# KiCad board panel.kicad_pcb (continued)
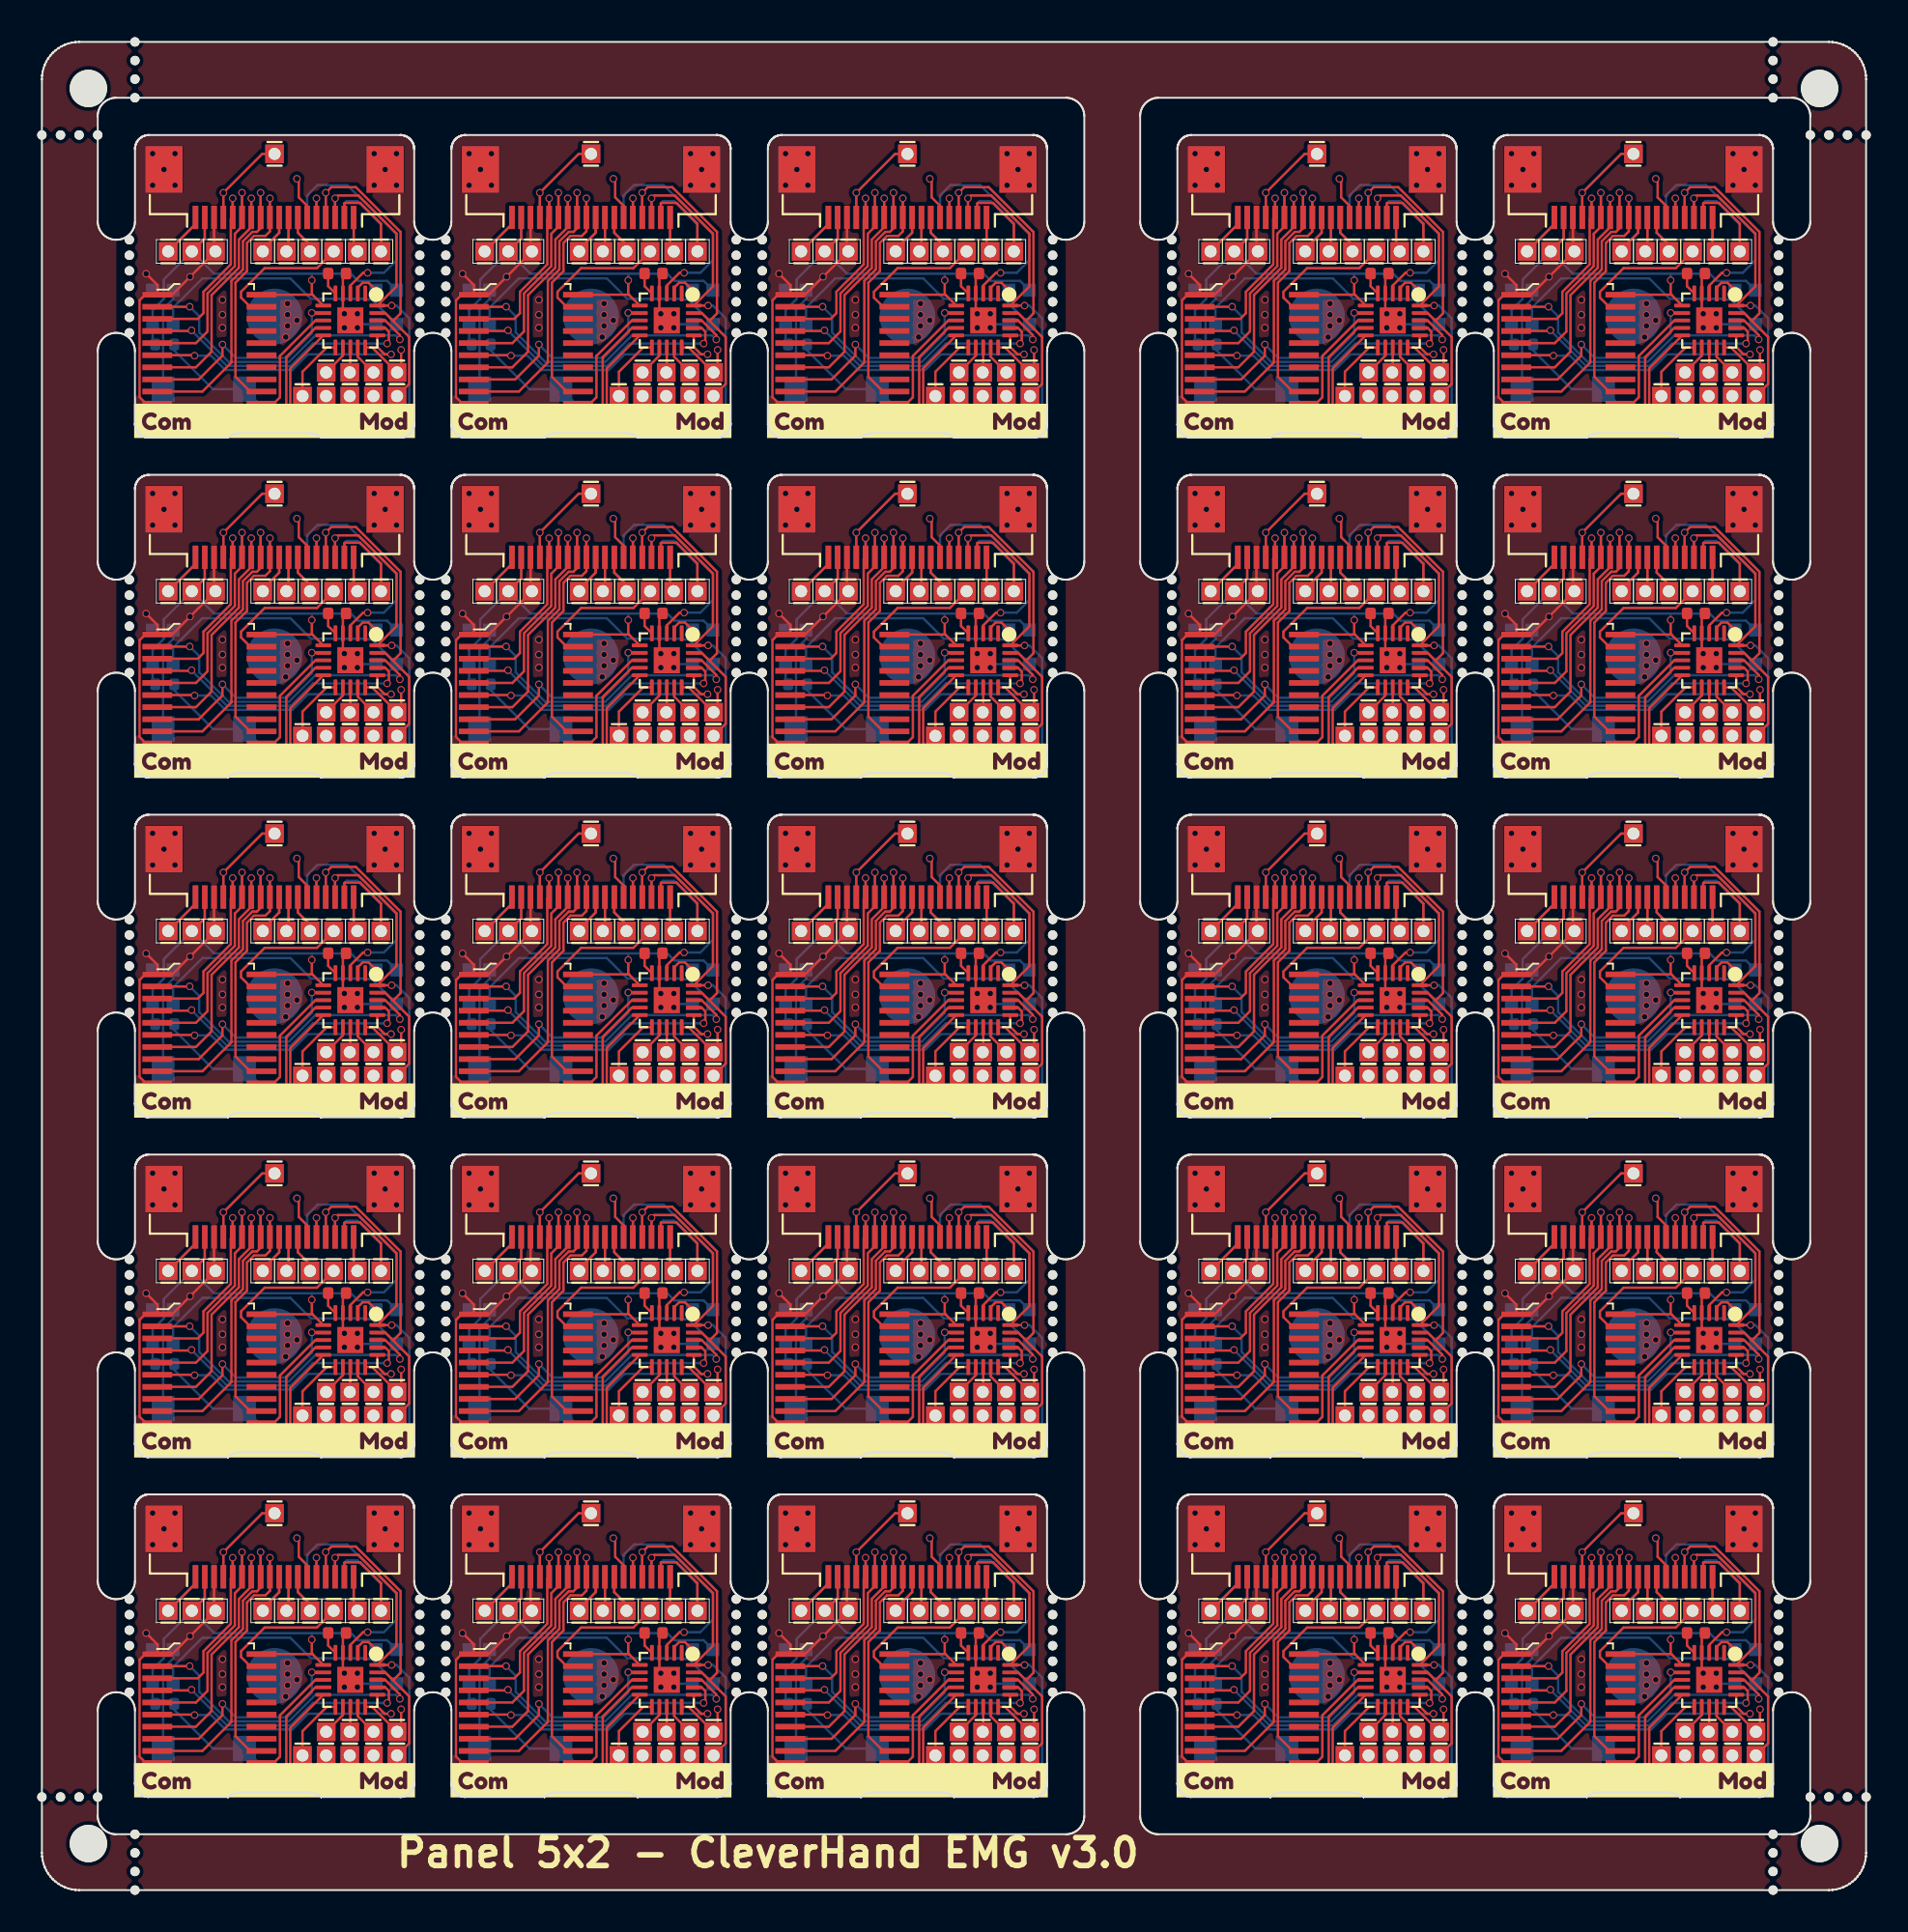
[diagram p0: board, top side]
## Routing (per net, layer and track width the routed paths; a pad name or vN(x,y) marks a point on that pad's centre or on a via; arc(x,y) is an arc through that point) (continued)
Board_13-/addr_mod_3: length 12
  Front w0.127: v1(70.5,48.2) 70.68,48.2 70.69,48.19 U1#6.7 ; v1(65.7,46.5) 65.7,45.9 64.42,44.63 U2#3.8
  Back w0.127: v1(65.7,46.5) 66.42,45.78 69.18,45.78 70.5,47.1 v1(70.5,48.2)
Board_13-/addr_mod_4: length 6.5
  Front w0.127: U1#6.8 70.69,47.79 68.79,45.89 68.79,43.67 68.45,43.33 U2#3.11
Board_13-/AIN0: length 3.6
  Front w0.127: J18#13.1 70,45.04 71.3,46.34 U1#6.11
Board_13-/AUX1: length 4.9
  Front w0.127: J19#4.1 64.25,52.97 J10#9.18
  Back w0.127: J10#9.18 64.25,52.97 J19#4.1
Board_13-/AUX2: length 9.4
  Front w0.127: J20#19.1 74.22,52.99 73.1,54.1 72.28,54.1 72.25,54.08 J10#9.2
  Back w0.127: J20#19.1 74.22,52.94 72.96,54.2 72.37,54.2 72.25,54.08 J10#9.2
Board_13-/AUX3: length 6.3
  Front w0.127: J3#11.1 67.84,56.74 v1(65.75,54.65) J10#9.15
  Back w0.127: v1(65.75,54.65) J10#9.15
Board_13-/CSB: length 7.5
  Front w0.127: U2#3.19 67.19,48.53 66.7,49.02 66.7,49.33 67.97,50.6 70.78,50.6 J8#24.1
Board_13-/extRef: length 3.8
  Front w0.127: J10#9.1 72.75,51.7 J9#8.1
  Back w0.127: J9#8.1 72.75,51.7 J10#9.1
Board_13-/GPIO: length 16.9
  Front w0.127: U1#6.10 69.35,45.22 69.35,43.09 69.36,43.08 70.62,43.08 J21#3.1
  Back w0.127: R1#25.2 63.11,46.18 65.19,44.1 SW1#14.1 67.91,43.08 70.62,43.08 J21#3.1
Board_13-/i2C_SCL: length 19.6
  Front w0.127: J10#9.3 v1(71.75,54.35) 71.9,54.5 73.01,54.5 75.05,52.46 75.05,49.62 U1#6.20 v1(74.79,48.59)
  Back w0.127: J16#8.1 74.46,43.08 75.73,43.08 75.73,47.91 75.05,48.59 v1(74.79,48.59) ; v1(71.75,54.35) J10#9.3
Board_13-/I2C_SDA: length 18.4
  Front w0.127: J17#12.1 75.73,44.38 75.73,46.9 74.87,47.77 ; 74.87,47.77 75.27,48.17 75.27,52.55 72.86,54.95 71.55,54.95 v1(71.25,54.65) J10#9.4 ; 74.87,47.77 74.44,48.19 U1#6.19
  Back w0.127: v1(71.25,54.65) J10#9.4
Board_13-/IO1_in: length 12.2
  Front w0.127: v1(73.5,50.35) 73.25,50.35 72.57,49.67 U1#6.3
  Back w0.127: v1(73.5,50.35) 74.37,50.35 75.05,51.03 75.05,52.41 72.4,55.06 70.81,55.06 70.25,54.5 J4#13.13
Board_13-/IO1_out: length 19.7
  Front w0.127: v1(69.7,55.4) 69.8,55.3 69.8,54.4 70.25,53.95 J10#9.6 ; U1#6.15 73.74,46.34 J11#11.1 75.3,45.22 v1(75.3,46.21)
  In2.Cu w0.127: v1(69.7,55.4) 69.9,55.6 72.65,55.6 75.64,52.61 75.64,46.55 v1(75.3,46.21)
Board_13-/IO2: length 2.1
  Front w0.127: v1(70.75,54.35) J10#9.5
  Back w0.127: J10#9.5 v1(70.75,54.35)
Board_13-/LED_IN: length 1.6
  Front w0.127: U1#6.2 72.97,49.55 73.23,49.82 73.55,49.82 v1(73.95,49.42)
Board_13-/MISO: length 4.4
  Front w0.127: J10#9.9 68.75,52.5 67.86,51.62 J5#15.1
  Back w0.127: J10#9.9 68.75,52.5 67.86,51.62 J5#15.1
Board_13-/MOSI: length 3.7
  Front w0.127: J10#9.8 69.25,51.62 J6#2.1
  Back w0.127: J6#2.1 69.25,51.62 J10#9.8
Board_13-/MOSI_ARM: length 1.4
  Front w0.127: U1#6.13 72.57,45.03 J13#4.1
Board_13-/SCLK: length 4.2
  Front w0.127: J10#9.7 69.75,52.5 70.41,51.85 J7#18.1
  Back w0.127: J10#9.7 69.75,52.5 70.41,51.85 J7#18.1
Board_13-/SCLK_ARM: length 1.7
  Front w0.127: J14#10.1 72.17,45.9 U1#6.12
Board_13-/SPICS_ARM: length 9.3
  Front w0.127: J15#2.1 71.67,42.86 69.27,42.86 69.13,43 69.13,45.82 70.69,47.39 U1#6.9
Board_13-/SWDIO/MISO_ARM: length 1.7
  Front w0.127: U1#6.14 72.97,45.84 J12#2.1
Board_13-/Vcap: length 1.2
  Front w0.127: U1#6.5 71.38,49.63 C1#10.2
Board_13-GND: length 27.5
  Front w0.127: U1#6.21 72.25,48.11 v1(72.25,48.15) 72.21,48.15 72.17,48.19 U1#6.4 72.17,50.14 C1#10.1 ; J10#9.16 65.25,51.58 J2#24.1 v1(63.96,50.14) 63,49.18 U2#3.1 ; v1(61.6,50.3) 62.2,49.7 U2#3.1 ; U2#3.1 61.55,49.18 61.25,48.87 61.25,43.67 61.59,43.33 U2#3.10
  Back w0.127: v1(63.96,50.14) 63.24,49.42 LED2#20.2 63.05,48.94 62.51,48.4 SW1#14.2 ; J2#24.1 65.25,51.58 J10#9.16 ; LED1#8.2 73.13,47.59 v1(72.95,47.4) 72.76,47.59 72.66,47.59
  vias: v1(61.95,56.75) v1(61.95,55.05) v1(62.56,55.9) v1(63.15,56.75) v1(63.15,55.05) v1(65.7,48.9) v1(65.7,48.1) v1(65.7,47.4) v1(69.1,46.9) v1(69.2,48.7) v1(69.2,48.1) v1(69.2,47.5) v1(69.7,47.8) v1(72.25,47.4) v1(72.95,48.15) v1(73.85,56.75) v1(73.85,55.05) v1(74.44,55.9) v1(75.05,56.75) v1(75.05,55.05)
Board_13-Net-(LED1-DO): length 14.6
  Back w0.127: LED2#20.3 63.05,48.48 64.62,50.05 69.35,50.05 70.45,48.95 73.45,48.95 73.48,48.91 73.72,48.91 LED1#8.1
Board_14-+3.3V: length 26.7
  Front w0.127: U2#19.20 87.53,49.18 87.55,49.16 ; J10#8.17 81.75,52.2 J1#25.1 ; 87.55,49.16 87.5,49.21 v1(87.5,49.95) ; 87.55,49.16 U1#19.6
  Back w0.127: LED1#3.4 91.55,49.92 89.98,49.92 89.6,50.3 87.5,50.3 ; 87.5,50.3 82.25,50.3 J1#25.1 ; 87.5,50.3 v1(87.5,49.95) ; J1#25.1 81.75,52.2 J10#8.17 ; J1#25.1 79.55,49.99 79.55,48.95 78.95,48.35 LED2#8.4 78.95,46.64 R1#19.1
Board_14-/addr_bus_0: length 10.5
  Front w0.127: U2#19.3 81.37,47.88 81.68,48.18 81.68,49.33 83.15,50.8 83.15,53.23 J10#8.14 v1(83.25,54.35)
  Back w0.127: J10#8.14 v1(83.25,54.35)
Board_14-/addr_bus_1: length 12.5
  Front w0.127: U2#19.5 81.27,46.58 81.9,47.2 81.9,49.24 83.37,50.71 83.37,52.45 83.75,52.83 J10#8.13 v1(83.75,54.65)
  Back w0.127: J10#8.13 v1(83.75,54.65)
Board_14-/addr_bus_2: length 13.4
  Front w0.127: U2#19.7 81.27,45.28 82.12,46.12 82.12,49.15 83.58,50.62 83.58,52.13 84.25,52.8 J10#8.12 v1(84.25,54.35)
  Back w0.127: J10#8.12 v1(84.25,54.35)
Board_14-/addr_bus_3: length 15.9
  Front w0.127: v1(84.75,54.65) J10#8.11 84.75,52.74 84.55,52.55 84.3,52.55 83.8,52.04 83.8,50.53 83.18,49.91 83.18,45.53 81.62,43.98 U2#19.9
  Back w0.127: J10#8.11 v1(84.75,54.65)
Board_14-/addr_bus_4: length 13.5
  Front w0.127: U2#19.12 84.19,43.98 83.4,44.77 83.4,49.82 84.02,50.44 84.02,51.95 84.39,52.33 85.01,52.33 85.25,52.57 J10#8.10 v1(85.25,54.35)
  Back w0.127: J10#8.10 v1(85.25,54.35)
Board_14-/addr_mod_0: length 17.2
  Front w0.127: v1(92.23,46.77) 92.23,47.01 91.44,47.79 U1#19.18 ; v1(80.94,48.53) 80.93,48.53 U2#19.2
  Back w0.127: v1(80.94,48.53) 81.45,48.02 81.45,47.15 83.04,45.56 86.27,45.56 87.69,46.99 92.01,46.99 v1(92.23,46.77)
Board_14-/addr_mod_1: length 15
  Front w0.127: v1(81.04,47.26) 81,47.23 U2#19.4 ; v1(91.55,46.55) 91.55,46.61 91.64,46.7 91.64,47.2 91.44,47.39 U1#19.17
  Back w0.127: v1(91.55,46.55) 87.56,46.55 86.36,45.35 82.95,45.35 81.04,47.25 v1(81.04,47.26)
Board_14-/addr_mod_2: length 14.8
  Front w0.127: v1(91.76,45.97) 91.42,45.97 91.02,46.37 U1#19.16 ; v1(81.2,45.9) 81.17,45.93 U2#19.6
  Back w0.127: v1(81.2,45.9) 82.09,45.9 82.86,45.13 86.45,45.13 87.29,45.97 v1(91.76,45.97)
Board_14-/addr_mod_3: length 12
  Front w0.127: U1#19.7 87.69,48.19 87.68,48.2 v1(87.5,48.2) ; U2#19.8 81.42,44.63 82.7,45.9 v1(82.7,46.5)
  Back w0.127: v1(82.7,46.5) 83.42,45.78 86.18,45.78 87.5,47.1 v1(87.5,48.2)
Board_14-/addr_mod_4: length 6.5
  Front w0.127: U1#19.8 87.69,47.79 85.79,45.89 85.79,43.67 85.45,43.33 U2#19.11
Board_14-/AIN0: length 3.6
  Front w0.127: J18#22.1 87,45.04 88.3,46.34 U1#19.11
Board_14-/AUX1: length 4.9
  Front w0.127: J10#8.18 81.25,52.97 J19#18.1
  Back w0.127: J10#8.18 81.25,52.97 J19#18.1
Board_14-/AUX2: length 9.4
  Front w0.127: J10#8.2 89.25,54.08 89.28,54.1 90.1,54.1 91.22,52.99 J20#5.1
  Back w0.127: J10#8.2 89.25,54.08 89.37,54.2 89.96,54.2 91.22,52.94 J20#5.1
Board_14-/AUX3: length 6.3
  Front w0.127: J10#8.15 v1(82.75,54.65) 84.84,56.74 J3#10.1
  Back w0.127: v1(82.75,54.65) J10#8.15
Board_14-/CSB: length 7.5
  Front w0.127: J8#11.1 87.78,50.6 84.97,50.6 83.7,49.33 83.7,49.02 84.19,48.53 U2#19.19
Board_14-/extRef: length 3.8
  Front w0.127: J9#21.1 89.75,51.7 J10#8.1
  Back w0.127: J10#8.1 89.75,51.7 J9#21.1
Board_14-/GPIO: length 16.9
  Front w0.127: J21#23.1 87.62,43.08 86.36,43.08 86.35,43.09 86.35,45.22 U1#19.10
  Back w0.127: R1#19.2 80.11,46.18 82.19,44.1 SW1#7.1 84.91,43.08 87.62,43.08 J21#23.1
Board_14-/i2C_SCL: length 19.6
  Front w0.127: v1(91.79,48.59) U1#19.20 92.05,49.62 92.05,52.46 90.01,54.5 88.9,54.5 v1(88.75,54.35) J10#8.3
  Back w0.127: v1(91.79,48.59) 92.05,48.59 92.73,47.91 92.73,43.08 91.46,43.08 J16#11.1 ; v1(88.75,54.35) J10#8.3
Board_14-/I2C_SDA: length 18.4
  Front w0.127: J10#8.4 v1(88.25,54.65) 88.55,54.95 89.86,54.95 92.27,52.55 92.27,48.17 91.87,47.77 ; 91.87,47.77 92.73,46.9 92.73,44.38 J17#11.1 ; 91.87,47.77 91.44,48.19 U1#19.19
  Back w0.127: v1(88.25,54.65) J10#8.4
Board_14-/IO1_in: length 12.2
  Front w0.127: v1(90.5,50.35) 90.25,50.35 89.57,49.67 U1#19.3
  Back w0.127: v1(90.5,50.35) 91.37,50.35 92.05,51.03 92.05,52.41 89.4,55.06 87.81,55.06 87.25,54.5 J4#24.13
Board_14-/IO1_out: length 19.7
  Front w0.127: v1(86.7,55.4) 86.8,55.3 86.8,54.4 87.25,53.95 J10#8.6 ; U1#19.15 90.74,46.34 J11#2.1 92.3,45.22 v1(92.3,46.21)
  In2.Cu w0.127: v1(86.7,55.4) 86.9,55.6 89.65,55.6 92.64,52.61 92.64,46.55 v1(92.3,46.21)
Board_14-/IO2: length 2.1
  Front w0.127: v1(87.75,54.35) J10#8.5
  Back w0.127: J10#8.5 v1(87.75,54.35)
Board_14-/LED_IN: length 1.6
  Front w0.127: v1(90.95,49.42) 90.55,49.82 90.23,49.82 89.97,49.55 U1#19.2
Board_14-/MISO: length 4.4
  Front w0.127: J10#8.9 85.75,52.5 84.87,51.62 J5#7.1
  Back w0.127: J10#8.9 85.75,52.5 84.87,51.62 J5#7.1
Board_14-/MOSI: length 3.7
  Front w0.127: J6#10.1 86.25,51.62 J10#8.8
  Back w0.127: J6#10.1 86.25,51.62 J10#8.8
Board_14-/MOSI_ARM: length 1.4
  Front w0.127: J13#24.1 89.57,45.03 U1#19.13
Board_14-/SCLK: length 4.2
  Front w0.127: J7#10.1 87.41,51.85 86.75,52.5 J10#8.7
  Back w0.127: J10#8.7 86.75,52.5 87.41,51.85 J7#10.1
Board_14-/SCLK_ARM: length 1.7
  Front w0.127: J14#2.1 89.17,45.9 U1#19.12
Board_14-/SPICS_ARM: length 9.3
  Front w0.127: U1#19.9 87.69,47.39 86.13,45.82 86.13,43 86.27,42.86 88.67,42.86 J15#21.1
Board_14-/SWDIO/MISO_ARM: length 1.7
  Front w0.127: U1#19.14 89.97,45.84 J12#8.1
Board_14-/Vcap: length 1.2
  Front w0.127: C1.2 88.38,49.63 U1#19.5
Board_14-GND: length 27.5
  Front w0.127: v1(78.6,50.3) 79.2,49.7 U2#19.1 ; U2#19.1 80,49.18 v1(80.96,50.14) J2#7.1 82.25,51.58 J10#8.16 ; U2#19.1 78.55,49.18 78.25,48.87 78.25,43.67 78.59,43.33 U2#19.10 ; C1.1 89.17,50.14 U1#19.4 89.17,48.19 89.21,48.15 v1(89.25,48.15) 89.25,48.11 U1#19.21
  Back w0.127: J2#7.1 82.25,51.58 J10#8.16 ; LED1#3.2 90.13,47.59 v1(89.95,47.4) 89.76,47.59 89.66,47.59 ; SW1#7.2 79.51,48.4 80.05,48.94 LED2#8.2 80.24,49.42 v1(80.96,50.14)
  vias: v1(78.95,56.75) v1(78.95,55.05) v1(79.56,55.9) v1(80.15,56.75) v1(80.15,55.05) v1(82.7,48.9) v1(82.7,48.1) v1(82.7,47.4) v1(86.1,46.9) v1(86.2,48.7) v1(86.2,48.1) v1(86.2,47.5) v1(86.7,47.8) v1(89.25,47.4) v1(89.95,48.15) v1(90.85,56.75) v1(90.85,55.05) v1(91.44,55.9) v1(92.05,56.75) v1(92.05,55.05)
Board_14-Net-(LED1-DO): length 14.6
  Back w0.127: LED1#3.1 90.72,48.91 90.48,48.91 90.45,48.95 87.45,48.95 86.35,50.05 81.62,50.05 80.05,48.48 LED2#8.3
Board_15-+3.3V: length 26.7
  Front w0.127: 14.55,30.91 14.53,30.93 U2.20 ; 14.55,30.91 14.5,30.96 v1(14.5,31.7) ; 14.55,30.91 U1#5.6 ; J1#17.1 8.75,33.95 J10#18.17
  Back w0.127: J1#17.1 9.26,32.05 14.5,32.05 ; J1#17.1 6.55,31.74 6.55,30.7 5.95,30.1 LED2#12.4 5.95,28.39 R1.1 ; J1#17.1 8.75,33.95 J10#18.17 ; 14.5,32.05 16.6,32.05 16.98,31.67 18.55,31.67 LED1#6.4 ; 14.5,32.05 v1(14.5,31.7)
Board_15-/addr_bus_0: length 10.5
  Front w0.127: v1(10.25,36.1) J10#18.14 10.15,34.98 10.15,32.55 8.68,31.08 8.68,29.93 8.37,29.63 U2.3
  Back w0.127: J10#18.14 v1(10.25,36.1)
Board_15-/addr_bus_1: length 12.5
  Front w0.127: U2.5 8.27,28.33 8.9,28.95 8.9,30.99 10.37,32.46 10.37,34.2 10.75,34.58 J10#18.13 v1(10.75,36.4)
  Back w0.127: J10#18.13 v1(10.75,36.4)
Board_15-/addr_bus_2: length 13.4
  Front w0.127: U2.7 8.27,27.03 9.12,27.87 9.12,30.9 10.58,32.37 10.58,33.88 11.25,34.55 J10#18.12 v1(11.25,36.1)
  Back w0.127: J10#18.12 v1(11.25,36.1)
Board_15-/addr_bus_3: length 15.9
  Front w0.127: v1(11.75,36.4) J10#18.11 11.75,34.49 11.55,34.3 11.3,34.3 10.8,33.79 10.8,32.28 10.18,31.66 10.18,27.28 8.62,25.73 U2.9
  Back w0.127: J10#18.11 v1(11.75,36.4)
Board_15-/addr_bus_4: length 13.5
  Front w0.127: U2.12 11.19,25.73 10.4,26.52 10.4,31.57 11.02,32.19 11.02,33.7 11.39,34.08 12.01,34.08 12.25,34.32 J10#18.10 v1(12.25,36.1)
  Back w0.127: J10#18.10 v1(12.25,36.1)
Board_15-/addr_mod_0: length 17.2
  Front w0.127: U2.2 7.93,30.28 v1(7.94,30.28) ; v1(19.23,28.52) 19.23,28.76 18.44,29.54 U1#5.18
  Back w0.127: v1(7.94,30.28) 8.45,29.77 8.45,28.9 10.04,27.31 13.27,27.31 14.69,28.74 19.01,28.74 v1(19.23,28.52)
Board_15-/addr_mod_1: length 15
  Front w0.127: U2.4 8,28.98 v1(8.04,29.01) ; U1#5.17 18.44,29.14 18.64,28.95 18.64,28.45 18.55,28.36 v1(18.55,28.3)
  Back w0.127: v1(18.55,28.3) 14.56,28.3 13.36,27.1 9.95,27.1 8.04,29 v1(8.04,29.01)
Board_15-/addr_mod_2: length 14.8
  Front w0.127: v1(18.76,27.72) 18.42,27.72 18.02,28.12 U1#5.16 ; v1(8.2,27.65) 8.17,27.68 U2.6
  Back w0.127: v1(18.76,27.72) 14.29,27.72 13.45,26.88 9.86,26.88 9.09,27.65 v1(8.2,27.65)
Board_15-/addr_mod_3: length 12
  Front w0.127: v1(9.7,28.25) 9.7,27.65 8.42,26.38 U2.8 ; U1#5.7 14.69,29.94 14.68,29.95 v1(14.5,29.95)
  Back w0.127: v1(9.7,28.25) 10.42,27.53 13.18,27.53 14.5,28.85 v1(14.5,29.95)
Board_15-/addr_mod_4: length 6.5
  Front w0.127: U1#5.8 14.69,29.54 12.79,27.64 12.79,25.42 12.45,25.08 U2.11
Board_15-/AIN0: length 3.6
  Front w0.127: J18#20.1 14,26.79 15.3,28.09 U1#5.11
Board_15-/AUX1: length 4.9
  Front w0.127: J19#14.1 8.25,34.72 J10#18.18
  Back w0.127: J19#14.1 8.25,34.72 J10#18.18
Board_15-/AUX2: length 9.4
  Front w0.127: J20#6.1 18.21,34.73 17.1,35.85 16.28,35.85 16.25,35.83 J10#18.2
  Back w0.127: J20#6.1 18.21,34.69 16.96,35.95 16.37,35.95 16.25,35.83 J10#18.2
Board_15-/AUX3: length 6.3
  Front w0.127: J3#12.1 11.84,38.49 v1(9.75,36.4) J10#18.15
  Back w0.127: v1(9.75,36.4) J10#18.15
Board_15-/CSB: length 7.5
  Front w0.127: U2.19 11.19,30.28 10.7,30.77 10.7,31.08 11.97,32.35 14.77,32.35 J8#21.1
Board_15-/extRef: length 3.8
  Front w0.127: J10#18.1 16.75,33.45 J9#12.1
  Back w0.127: J10#18.1 16.75,33.45 J9#12.1
Board_15-/GPIO: length 16.9
  Front w0.127: J21#17.1 14.62,24.83 13.36,24.83 13.35,24.84 13.35,26.97 U1#5.10
  Back w0.127: J21#17.1 14.62,24.83 11.91,24.83 SW1#25.1 9.19,25.85 7.11,27.93 R1.2
Board_15-/i2C_SCL: length 19.6
  Front w0.127: v1(18.79,30.34) U1#5.20 19.05,31.37 19.05,34.21 17.01,36.25 15.9,36.25 v1(15.75,36.1) J10#18.3
  Back w0.127: v1(18.79,30.34) 19.05,30.34 19.73,29.66 19.73,24.83 18.46,24.83 J16#23.1 ; v1(15.75,36.1) J10#18.3
Board_15-/I2C_SDA: length 18.4
  Front w0.127: J10#18.4 v1(15.25,36.4) 15.55,36.7 16.86,36.7 19.27,34.3 19.27,29.92 18.87,29.52 ; J17#22.1 19.73,26.13 19.73,28.65 18.87,29.52 ; 18.87,29.52 18.44,29.94 U1#5.19
  Back w0.127: v1(15.25,36.4) J10#18.4
Board_15-/IO1_in: length 12.2
  Front w0.127: U1#5.3 16.57,31.42 17.25,32.1 v1(17.5,32.1)
  Back w0.127: J4#21.13 14.25,36.25 14.81,36.81 16.4,36.81 19.05,34.16 19.05,32.78 18.37,32.1 v1(17.5,32.1)
Board_15-/IO1_out: length 19.7
  Front w0.127: U1#5.15 17.74,28.09 J11#5.1 19.3,26.97 v1(19.3,27.96) ; v1(13.7,37.15) 13.8,37.05 13.8,36.15 14.25,35.7 J10#18.6
  In2.Cu w0.127: v1(13.7,37.15) 13.9,37.35 16.65,37.35 19.64,34.36 19.64,28.3 v1(19.3,27.96)
Board_15-/IO2: length 2.1
  Front w0.127: v1(14.75,36.1) J10#18.5
  Back w0.127: J10#18.5 v1(14.75,36.1)
Board_15-/LED_IN: length 1.6
  Front w0.127: U1#5.2 16.97,31.3 17.23,31.57 17.55,31.57 v1(17.95,31.17)
Board_15-/MISO: length 4.4
  Front w0.127: J5#14.1 11.87,33.37 12.75,34.25 J10#18.9
  Back w0.127: J5#14.1 11.87,33.37 12.75,34.25 J10#18.9
Board_15-/MOSI: length 3.7
  Front w0.127: J6#7.1 13.25,33.37 J10#18.8
  Back w0.127: J6#7.1 13.25,33.37 J10#18.8
Board_15-/MOSI_ARM: length 1.4
  Front w0.127: J13#21.1 16.57,26.78 U1#5.13
Board_15-/SCLK: length 4.2
  Front w0.127: J10#18.7 13.75,34.25 14.41,33.6 J7#16.1
  Back w0.127: J7#16.1 14.41,33.6 13.75,34.25 J10#18.7
Board_15-/SCLK_ARM: length 1.7
  Front w0.127: U1#5.12 16.17,27.65 J14#13.1
Board_15-/SPICS_ARM: length 9.3
  Front w0.127: J15.1 15.67,24.61 13.27,24.61 13.13,24.75 13.13,27.57 14.69,29.14 U1#5.9
Board_15-/SWDIO/MISO_ARM: length 1.7
  Front w0.127: J12#15.1 16.97,27.59 U1#5.14
Board_15-/Vcap: length 1.2
  Front w0.127: C1#16.2 15.38,31.38 U1#5.5
Board_15-GND: length 27.5
  Front w0.127: U1#5.21 16.25,29.86 v1(16.25,29.9) 16.21,29.9 16.17,29.94 U1#5.4 16.17,31.89 C1#16.1 ; J10#18.16 9.25,33.33 J2#8.1 v1(7.96,31.89) 7,30.93 U2.1 ; U2.10 5.59,25.08 5.25,25.42 5.25,30.62 5.55,30.93 U2.1 ; U2.1 6.2,31.45 v1(5.6,32.05)
  Back w0.127: LED1#6.2 17.13,29.34 v1(16.95,29.15) 16.76,29.34 16.66,29.34 ; v1(7.96,31.89) 7.24,31.17 LED2#12.2 7.05,30.69 6.51,30.15 SW1#25.2 ; J10#18.16 9.25,33.33 J2#8.1
  vias: v1(5.95,38.5) v1(5.95,36.8) v1(6.56,37.65) v1(7.15,38.5) v1(7.15,36.8) v1(9.7,30.65) v1(9.7,29.85) v1(9.7,29.15) v1(13.1,28.65) v1(13.2,30.45) v1(13.2,29.85) v1(13.2,29.25) v1(13.7,29.55) v1(16.25,29.15) v1(16.95,29.9) v1(17.85,38.5) v1(17.85,36.8) v1(18.44,37.65) v1(19.05,38.5) v1(19.05,36.8)
Board_15-Net-(LED1-DO): length 14.6
  Back w0.127: LED1#6.1 17.72,30.66 17.48,30.66 17.45,30.7 14.45,30.7 13.35,31.8 8.62,31.8 7.05,30.23 LED2#12.3
Board_16-+3.3V: length 26.7
  Front w0.127: 31.55,30.91 31.5,30.96 v1(31.5,31.7) ; 31.55,30.91 U1#17.6 ; 31.55,30.91 31.53,30.93 U2#6.20 ; J1#6.1 25.75,33.95 J10#22.17
  Back w0.127: J1#6.1 25.75,33.95 J10#22.17 ; J1#6.1 26.25,32.05 31.5,32.05 ; J1#6.1 23.55,31.74 23.55,30.7 22.95,30.1 LED2#2.4 22.95,28.39 R1#17.1 ; LED1#21.4 35.55,31.67 33.98,31.67 33.6,32.05 31.5,32.05 ; 31.5,32.05 v1(31.5,31.7)
Board_16-/addr_bus_0: length 10.5
  Front w0.127: U2#6.3 25.37,29.63 25.68,29.93 25.68,31.08 27.15,32.55 27.15,34.98 J10#22.14 v1(27.25,36.1)
  Back w0.127: J10#22.14 v1(27.25,36.1)
Board_16-/addr_bus_1: length 12.5
  Front w0.127: v1(27.75,36.4) J10#22.13 27.75,34.58 27.37,34.2 27.37,32.46 25.9,30.99 25.9,28.95 25.27,28.33 U2#6.5
  Back w0.127: J10#22.13 v1(27.75,36.4)
Board_16-/addr_bus_2: length 13.4
  Front w0.127: U2#6.7 25.27,27.03 26.12,27.87 26.12,30.9 27.58,32.37 27.58,33.88 28.25,34.55 J10#22.12 v1(28.25,36.1)
  Back w0.127: J10#22.12 v1(28.25,36.1)
Board_16-/addr_bus_3: length 15.9
  Front w0.127: U2#6.9 25.62,25.73 27.18,27.28 27.18,31.66 27.8,32.28 27.8,33.79 28.3,34.3 28.55,34.3 28.75,34.49 J10#22.11 v1(28.75,36.4)
  Back w0.127: J10#22.11 v1(28.75,36.4)
Board_16-/addr_bus_4: length 13.5
  Front w0.127: v1(29.25,36.1) J10#22.10 29.25,34.32 29.01,34.08 28.39,34.08 28.02,33.7 28.02,32.19 27.4,31.57 27.4,26.52 28.19,25.73 U2#6.12
  Back w0.127: J10#22.10 v1(29.25,36.1)
Board_16-/addr_mod_0: length 17.2
  Front w0.127: U1#17.18 35.44,29.54 36.23,28.76 v1(36.23,28.52) ; v1(24.94,30.28) 24.93,30.28 U2#6.2
  Back w0.127: v1(36.23,28.52) 36.01,28.74 31.69,28.74 30.27,27.31 27.04,27.31 25.45,28.9 25.45,29.77 v1(24.94,30.28)
Board_16-/addr_mod_1: length 15
  Front w0.127: U2#6.4 25,28.98 v1(25.04,29.01) ; v1(35.55,28.3) 35.55,28.36 35.64,28.45 35.64,28.95 35.44,29.14 U1#17.17
  Back w0.127: v1(25.04,29.01) 25.04,29 26.95,27.1 30.36,27.1 31.56,28.3 v1(35.55,28.3)
Board_16-/addr_mod_2: length 14.8
  Front w0.127: U1#17.16 35.02,28.12 35.42,27.72 v1(35.76,27.72) ; v1(25.2,27.65) 25.17,27.68 U2#6.6
  Back w0.127: v1(35.76,27.72) 31.29,27.72 30.45,26.88 26.86,26.88 26.09,27.65 v1(25.2,27.65)
Board_16-/addr_mod_3: length 12
  Front w0.127: v1(26.7,28.25) 26.7,27.65 25.42,26.38 U2#6.8 ; U1#17.7 31.69,29.94 31.68,29.95 v1(31.5,29.95)
  Back w0.127: v1(31.5,29.95) 31.5,28.85 30.18,27.53 27.42,27.53 v1(26.7,28.25)
Board_16-/addr_mod_4: length 6.5
  Front w0.127: U1#17.8 31.69,29.54 29.79,27.64 29.79,25.42 29.45,25.08 U2#6.11
Board_16-/AIN0: length 3.6
  Front w0.127: J18#9.1 31,26.79 32.3,28.09 U1#17.11
Board_16-/AUX1: length 4.9
  Front w0.127: J19#19.1 25.25,34.72 J10#22.18
  Back w0.127: J10#22.18 25.25,34.72 J19#19.1
Board_16-/AUX2: length 9.4
  Front w0.127: J20#23.1 35.22,34.73 34.1,35.85 33.28,35.85 33.25,35.83 J10#22.2
  Back w0.127: J10#22.2 33.25,35.83 33.37,35.95 33.96,35.95 35.22,34.69 J20#23.1
Board_16-/AUX3: length 6.3
  Front w0.127: J3#7.1 28.84,38.49 v1(26.75,36.4) J10#22.15
  Back w0.127: v1(26.75,36.4) J10#22.15
Board_16-/CSB: length 7.5
  Front w0.127: J8#4.1 31.77,32.35 28.97,32.35 27.7,31.08 27.7,30.77 28.19,30.28 U2#6.19
Board_16-/extRef: length 3.8
  Front w0.127: J9#2.1 33.75,33.45 J10#22.1
  Back w0.127: J10#22.1 33.75,33.45 J9#2.1
Board_16-/GPIO: length 16.9
  Front w0.127: J21#14.1 31.62,24.83 30.36,24.83 30.35,24.84 30.35,26.97 U1#17.10
  Back w0.127: R1#17.2 24.11,27.93 26.19,25.85 SW1#19.1 28.91,24.83 31.62,24.83 J21#14.1
Board_16-/i2C_SCL: length 19.6
  Front w0.127: J10#22.3 v1(32.75,36.1) 32.9,36.25 34.01,36.25 36.05,34.21 36.05,31.37 U1#17.20 v1(35.79,30.34)
  Back w0.127: v1(32.75,36.1) J10#22.3 ; J16#17.1 35.46,24.83 36.73,24.83 36.73,29.66 36.05,30.34 v1(35.79,30.34)
Board_16-/I2C_SDA: length 18.4
  Front w0.127: 35.87,29.52 35.44,29.94 U1#17.19 ; 35.87,29.52 36.27,29.92 36.27,34.3 33.86,36.7 32.55,36.7 v1(32.25,36.4) J10#22.4 ; 35.87,29.52 36.73,28.65 36.73,26.13 J17#2.1
  Back w0.127: v1(32.25,36.4) J10#22.4
Board_16-/IO1_in: length 12.2
  Front w0.127: U1#17.3 33.57,31.42 34.25,32.1 v1(34.5,32.1)
  Back w0.127: v1(34.5,32.1) 35.37,32.1 36.05,32.78 36.05,34.16 33.4,36.81 31.81,36.81 31.25,36.25 J4#25.13
Board_16-/IO1_out: length 19.7
  Front w0.127: v1(36.3,27.96) 36.3,26.97 J11#4.1 34.74,28.09 U1#17.15 ; v1(30.7,37.15) 30.8,37.05 30.8,36.15 31.25,35.7 J10#22.6
  In2.Cu w0.127: v1(36.3,27.96) 36.64,28.3 36.64,34.36 33.65,37.35 30.9,37.35 v1(30.7,37.15)
Board_16-/IO2: length 2.1
  Front w0.127: v1(31.75,36.1) J10#22.5
  Back w0.127: J10#22.5 v1(31.75,36.1)
Board_16-/LED_IN: length 1.6
  Front w0.127: v1(34.95,31.17) 34.55,31.57 34.23,31.57 33.97,31.3 U1#17.2
Board_16-/MISO: length 4.4
  Front w0.127: J5#3.1 28.86,33.37 29.75,34.25 J10#22.9
  Back w0.127: J5#3.1 28.86,33.37 29.75,34.25 J10#22.9
Board_16-/MOSI: length 3.7
  Front w0.127: J10#22.8 30.25,33.37 J6#22.1
  Back w0.127: J10#22.8 30.25,33.37 J6#22.1
Board_16-/MOSI_ARM: length 1.4
  Front w0.127: U1#17.13 33.57,26.78 J13#20.1
Board_16-/SCLK: length 4.2
  Front w0.127: J7#22.1 31.41,33.6 30.75,34.25 J10#22.7
  Back w0.127: J10#22.7 30.75,34.25 31.41,33.6 J7#22.1
Board_16-/SCLK_ARM: length 1.7
  Front w0.127: U1#17.12 33.17,27.65 J14#17.1
Board_16-/SPICS_ARM: length 9.3
  Front w0.127: U1#17.9 31.69,29.14 30.13,27.57 30.13,24.75 30.27,24.61 32.67,24.61 J15#25.1
Board_16-/SWDIO/MISO_ARM: length 1.7
  Front w0.127: U1#17.14 33.97,27.59 J12#6.1
Board_16-/Vcap: length 1.2
  Front w0.127: C1#23.2 32.38,31.38 U1#17.5
Board_16-GND: length 27.5
  Front w0.127: U2#6.1 23.2,31.45 v1(22.6,32.05) ; U2#6.1 22.55,30.93 22.25,30.62 22.25,25.42 22.59,25.08 U2#6.10 ; U2#6.1 24,30.93 v1(24.96,31.89) J2#21.1 26.25,33.33 J10#22.16 ; C1#23.1 33.17,31.89 U1#17.4 33.17,29.94 33.21,29.9 v1(33.25,29.9) 33.25,29.86 U1#17.21
  Back w0.127: v1(24.96,31.89) 24.24,31.17 LED2#2.2 24.05,30.69 23.51,30.15 SW1#19.2 ; J2#21.1 26.25,33.33 J10#22.16 ; 33.66,29.34 33.76,29.34 v1(33.95,29.15) 34.13,29.34 LED1#21.2
  vias: v1(22.95,38.5) v1(22.95,36.8) v1(23.56,37.65) v1(24.15,38.5) v1(24.15,36.8) v1(26.7,30.65) v1(26.7,29.85) v1(26.7,29.15) v1(30.1,28.65) v1(30.2,30.45) v1(30.2,29.85) v1(30.2,29.25) v1(30.7,29.55) v1(33.25,29.15) v1(33.95,29.9) v1(34.85,38.5) v1(34.85,36.8) v1(35.44,37.65) v1(36.05,38.5) v1(36.05,36.8)
Board_16-Net-(LED1-DO): length 14.6
  Back w0.127: LED1#21.1 34.72,30.66 34.48,30.66 34.45,30.7 31.45,30.7 30.35,31.8 25.62,31.8 24.05,30.23 LED2#2.3
Board_17-+3.3V: length 26.7
  Front w0.127: J10#25.17 42.75,33.95 J1.1 ; U2#7.20 48.53,30.93 48.55,30.91 ; 48.55,30.91 48.5,30.96 v1(48.5,31.7) ; 48.55,30.91 U1#4.6
  Back w0.127: J1.1 43.26,32.05 48.5,32.05 ; J1.1 42.75,33.95 J10#25.17 ; J1.1 40.55,31.74 40.55,30.7 39.95,30.1 LED2#23.4 39.95,28.39 R1#24.1 ; 48.5,32.05 50.6,32.05 50.98,31.67 52.55,31.67 LED1#7.4 ; 48.5,32.05 v1(48.5,31.7)
Board_17-/addr_bus_0: length 10.5
  Front w0.127: v1(44.25,36.1) J10#25.14 44.15,34.98 44.15,32.55 42.68,31.08 42.68,29.93 42.37,29.63 U2#7.3
  Back w0.127: J10#25.14 v1(44.25,36.1)
Board_17-/addr_bus_1: length 12.5
  Front w0.127: v1(44.75,36.4) J10#25.13 44.75,34.58 44.37,34.2 44.37,32.46 42.9,30.99 42.9,28.95 42.27,28.33 U2#7.5
  Back w0.127: J10#25.13 v1(44.75,36.4)
Board_17-/addr_bus_2: length 13.4
  Front w0.127: v1(45.25,36.1) J10#25.12 45.25,34.55 44.58,33.88 44.58,32.37 43.12,30.9 43.12,27.87 42.27,27.03 U2#7.7
  Back w0.127: J10#25.12 v1(45.25,36.1)
Board_17-/addr_bus_3: length 15.9
  Front w0.127: U2#7.9 42.62,25.73 44.18,27.28 44.18,31.66 44.8,32.28 44.8,33.79 45.3,34.3 45.55,34.3 45.75,34.49 J10#25.11 v1(45.75,36.4)
  Back w0.127: J10#25.11 v1(45.75,36.4)
Board_17-/addr_bus_4: length 13.5
  Front w0.127: v1(46.25,36.1) J10#25.10 46.25,34.32 46.01,34.08 45.39,34.08 45.02,33.7 45.02,32.19 44.4,31.57 44.4,26.52 45.19,25.73 U2#7.12
  Back w0.127: J10#25.10 v1(46.25,36.1)
Board_17-/addr_mod_0: length 17.2
  Front w0.127: U2#7.2 41.93,30.28 v1(41.94,30.28) ; v1(53.23,28.52) 53.23,28.76 52.44,29.54 U1#4.18
  Back w0.127: v1(53.23,28.52) 53.01,28.74 48.69,28.74 47.27,27.31 44.04,27.31 42.45,28.9 42.45,29.77 v1(41.94,30.28)
Board_17-/addr_mod_1: length 15
  Front w0.127: U2#7.4 42,28.98 v1(42.04,29.01) ; v1(52.55,28.3) 52.55,28.36 52.64,28.45 52.64,28.95 52.44,29.14 U1#4.17
  Back w0.127: v1(52.55,28.3) 48.56,28.3 47.36,27.1 43.95,27.1 42.04,29 v1(42.04,29.01)